# Altium PCB 2CH_PM_Simulator.PcbDoc (part 3 of 4) (continued)
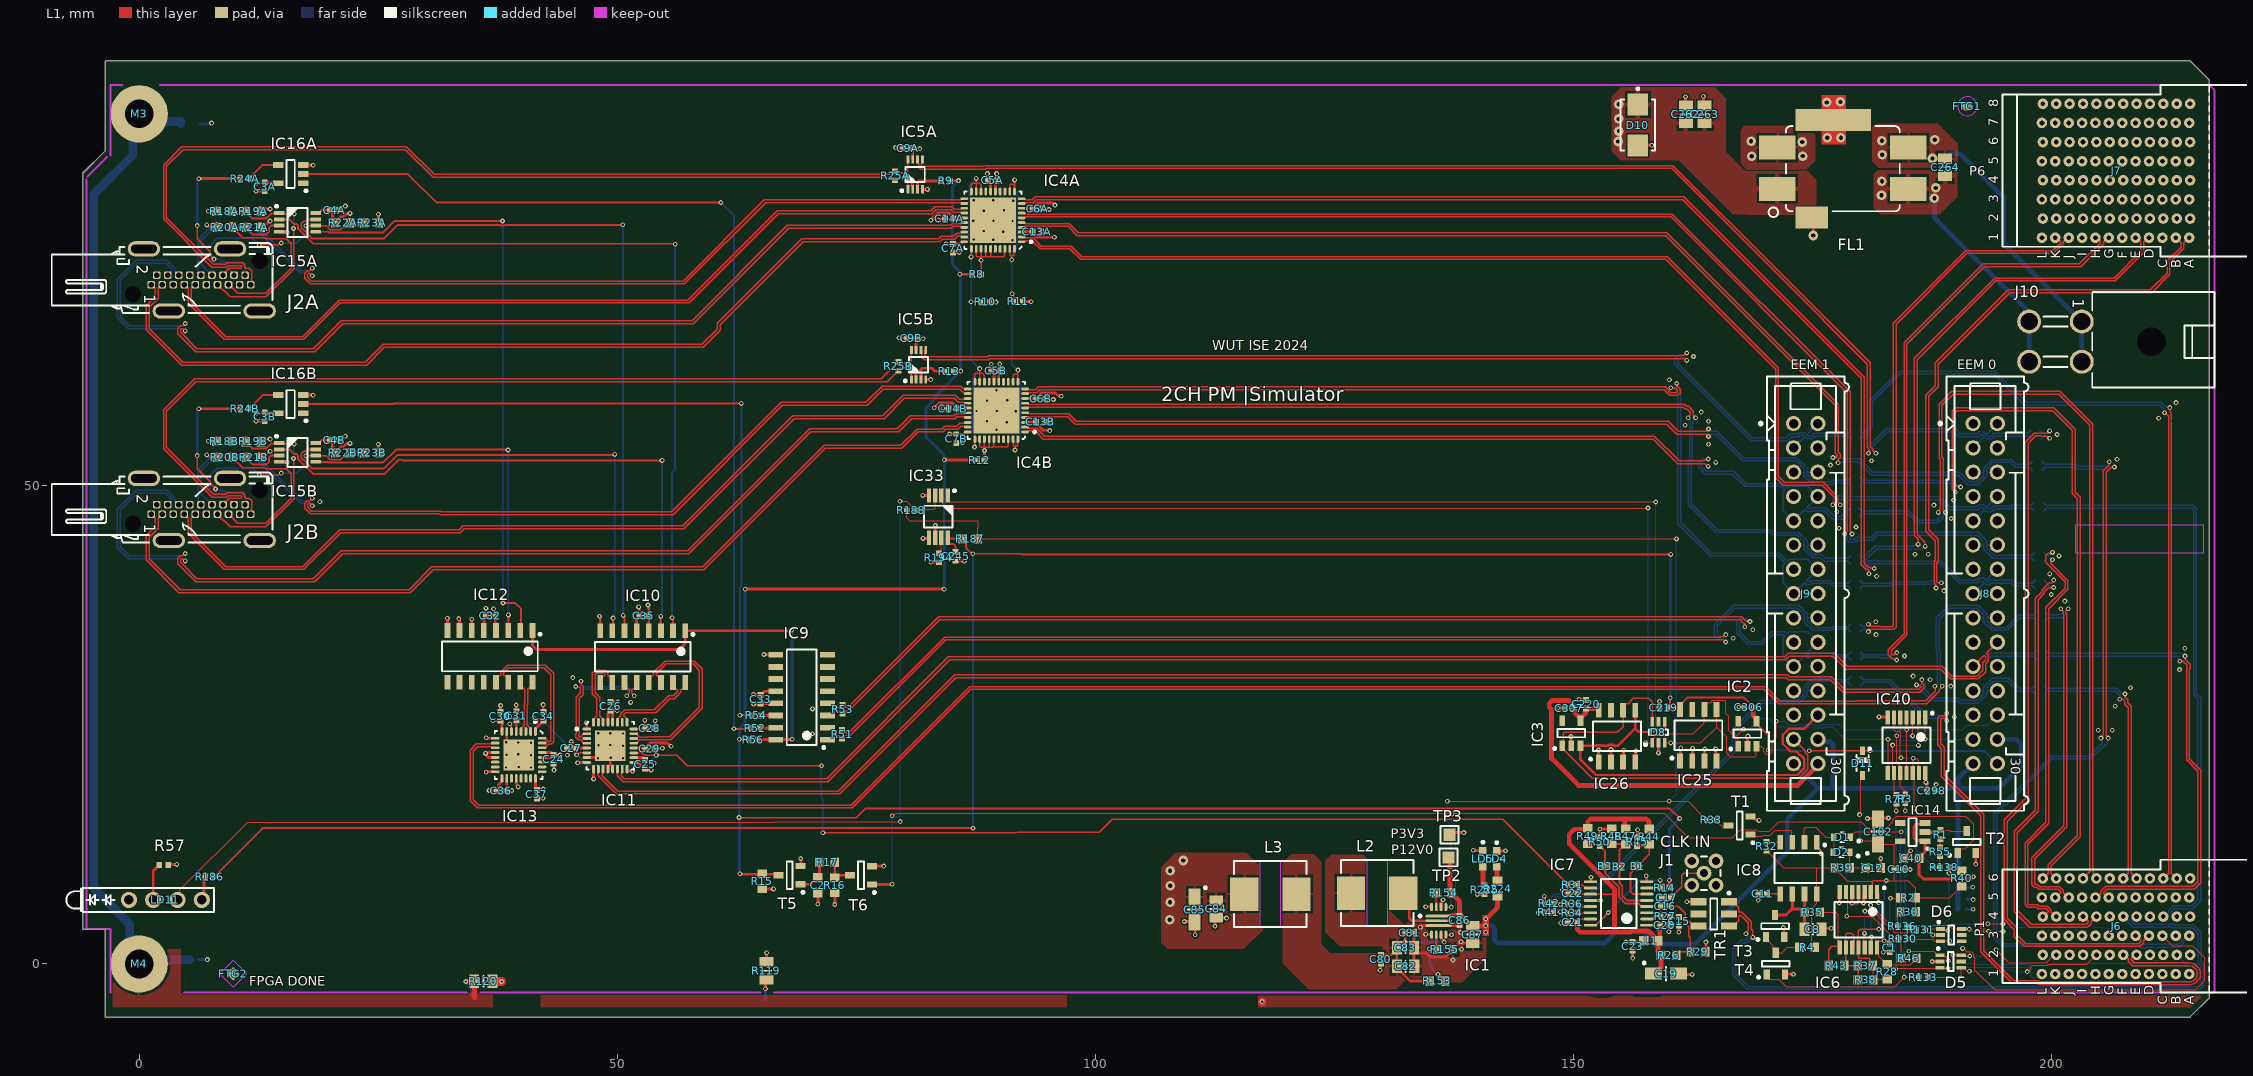
[diagram p0: L1 view]
## Nets (pads, with @x,y where several pads share a name; then routed paths per layer and width w, separated by ;. In a path a pad name is that pad's centre, name@x,y a point inside that pad or via, vN(x,y) a via of type N, cw(c..) or ccw(c..) an arc to the next point about the centre after c; other vN are vias at no path point) (continued)
  L4 w0.3: C212.2@6.198,0.45 6.202,0.454 7.134,0.454 v1(7.137,0.457) ; R126.2@6.348,87.85 7.43,87.85 7.515,87.935 v1(7.569,87.935) ; v1(134.518,5.994) 134.534,5.979 135.174,5.979 C79.1@135.19,5.963
  other v1: 137.39,0.419 138.279,1.537 138.228,2.324 138.177,3.289 133.979,3.848 38.359,20.547 40.975,20.547 39.705,20.598 47.981,21.514 50.597,21.514 49.327,21.565 40.975,21.843 38.41,21.893 39.641,21.93 50.597,22.809 48.031,22.86 49.263,22.897 40.975,23.138 39.654,23.163 38.391,23.18 70.405,24.077 50.597,24.105 49.276,24.13 48.013,24.147 204.873,24.433 206.32,24.433 189.814,25.832 70.405,26.668 206.629,26.949 51.384,27.356 208.229,28.88 189.429,29.056 187.274,29.718 45.335,29.945 185.496,30.099 213.356,30.783 184.607,32.207 213.915,33.018 166.7,34.061 181.632,34.441 168.732,34.95 181.606,35.787 201.371,37.948 199.948,38.631 188.722,39.04 181.686,40.538 199.796,40.792 200.762,42.672 185.699,42.85 187.096,42.85 177.749,45.568 179.527,45.695 189.484,46.584 177.521,47.295 187.681,47.981 18.898,48.336 189.738,48.489 176.86,52.172 164.871,52.451 181.153,52.629 206.832,52.781 164.106,54.354 200.558,55.372 89.647,55.848 161.671,56.337 90.713,56.661 164.106,56.742 88.656,56.763 211.176,57.074 163.344,57.707 91.679,57.804 87.564,57.83 89.697,57.83 213.004,58.699 88.656,58.896 90.79,58.947 89.647,59.989 160.02,61.087 162.535,63.525 91.323,75.686 89.291,75.737 87.259,75.762 90.358,76.549 88.3,76.651 91.323,77.692 87.208,77.718 89.342,77.718 88.3,78.785 90.434,78.835 91.399,79.826 87.259,79.851 89.291,79.877
  other v2: 168.631,84.455 173.965,84.48 173.914,85.954 168.554,86.03 177.952,86.385 176.53,86.411 176.479,90.094 177.902,90.145
HDMI_PM_DA0A_N: IC4A.21 J2A.12 | length 91.6
  L1 w0.14: v1(18.11,71.971) 18.086,71.971 17.848,72.208 17.697,72.208 17.615,72.126 17.615,71.815 18.015,71.415 56.869,71.415 65.378,79.925 85.888,79.925 85.988,80.025 IC4A.21@86.281,80.025
  L4 w0.14: J2A.12@7.609,72.085 7.593,72.085 6.502,73.176 6.502,75.667 7.849,77.013 12.09,77.013 16.895,72.208 17.848,72.208 18.086,71.971 v1(18.11,71.971)
HDMI_PM_DA0A_P: IC4A.22 J2A.10 | length 92.8
  L1 w0.14: v1@18.135,72.746 v1(18.11,72.746) 18.086,72.746 17.848,72.508 17.573,72.508 17.315,72.25 17.315,71.691 17.891,71.115 56.993,71.115 65.502,79.625 85.888,79.625 85.988,79.525 IC4A.22@86.281,79.525
  L4 w0.14: 6.203,72.497 6.203,72.335 J2A.10@6.453,72.085 ; 6.202,72.497 6.202,75.791 7.724,77.313 12.215,77.313 17.019,72.508 17.848,72.508 18.086,72.746 v1(18.11,72.746)
HDMI_PM_DA0B_N: IC4B.21 J2B.12 | length 94
  L1 w0.14: v1(18.11,47.917) 18.086,47.917 17.848,48.154 17.697,48.154 17.615,48.072 17.615,47.761 18.015,47.361 31.517,47.361 31.578,47.3 55.708,47.3 67.127,58.72 76,58.72 77.701,60.422 85.913,60.422 86.178,60.157 86.616,60.157 IC4B.21@86.637,60.137
  L4 w0.14: J2B.12@7.609,48.031 7.593,48.031 6.894,48.73 6.502,49.122 6.502,51.613 7.849,52.959 12.09,52.959 16.895,48.154 17.848,48.154 18.086,47.917 v1(18.11,47.917)
HDMI_PM_DA0B_P: IC4B.22 J2B.10 | length 95.2
  L1 w0.14: v1@18.135,48.692 v1(18.11,48.692) 18.086,48.692 17.848,48.454 17.573,48.454 17.315,48.197 17.315,47.637 17.891,47.061 31.393,47.061 31.454,47 55.832,47 67.252,58.42 76.124,58.42 77.826,60.122 85.788,60.122 86.053,59.857 86.123,59.857 86.343,59.637 IC4B.22@86.637,59.637
  L4 w0.14: 6.203,48.443 6.203,48.281 J2B.10@6.453,48.031 ; 6.202,48.443 6.202,51.737 7.724,53.259 12.215,53.259 17.019,48.454 17.848,48.454 18.086,48.692 v1(18.11,48.692)
HDMI_PM_DA1A_N: IC4A.23 J2A.9 | length 90.2
  L1 w0.14: J2A.9@5.875,71.085 5.859,71.085 5.447,70.673 5.447,69.204 9.042,65.608 17.094,65.608 20.906,69.42 57.381,69.42 66.721,78.761 82.765,78.761 83.191,79.187 84.977,79.187 85.239,78.925 85.888,78.925 85.988,79.025 IC4A.23@86.281,79.025
HDMI_PM_DA1A_P: IC4A.24 J2A.7 | length 90.7
  L1 w0.14: J2A.7@4.719,71.085 4.735,71.085 5.147,70.673 5.147,69.08 8.918,65.308 17.218,65.308 21.031,69.12 57.505,69.12 66.845,78.461 82.889,78.461 83.315,78.887 84.853,78.887 85.115,78.625 85.888,78.625 85.988,78.525 IC4A.24@86.281,78.525
HDMI_PM_DA1B_N: IC4B.23 J2B.9 | length 92.4
  L1 w0.14: J2B.9@5.875,47.031 5.859,47.031 5.447,46.619 5.447,45.15 9.042,41.554 17.094,41.554 20.95,45.41 33.468,45.41 33.858,45.8 56.824,45.8 68.351,57.328 77.782,57.328 79.902,59.448 85.358,59.448 85.769,59.037 86.243,59.037 86.343,59.137 IC4B.23@86.637,59.137
HDMI_PM_DA1B_P: IC4B.24 J2B.7 | length 92.9
  L1 w0.14: J2B.7@4.719,47.031 4.735,47.031 5.147,46.619 5.147,45.026 8.918,41.254 17.218,41.254 21.074,45.11 33.592,45.11 33.982,45.5 56.948,45.5 68.476,57.028 77.907,57.028 80.026,59.148 85.233,59.148 85.645,58.737 86.243,58.737 86.343,58.637 IC4B.24@86.637,58.637
HDMI_PM_DT0A_N: IC4A.26 J2A.6 | length 108.8
  L1 w0.14: v1(4.826,66.2) 4.801,66.2 4.564,66.437 4.413,66.437 4.331,66.355 4.331,66.044 6.037,64.338 18.212,64.338 21.139,67.265 57.816,67.265 67.776,77.225 84.802,77.225 85.002,77.425 85.888,77.425 85.988,77.525 IC4A.26@86.281,77.525
  L4 w0.14: J2A.6@4.141,72.085 4.125,72.085 3.713,72.497 3.713,72.761 2.895,73.579 -0.327,73.579 -2.281,71.625 -2.281,67.573 -1.146,66.437 4.491,66.437 4.729,66.2 v1(4.826,66.2)
HDMI_PM_DT0A_P: IC4A.27 J2A.4 | length 108.3
  L1 w0.14: v1(4.826,66.975) 4.801,66.975 4.564,66.737 4.289,66.737 4.031,66.48 4.031,65.92 5.913,64.038 18.336,64.038 21.263,66.965 57.941,66.965 67.9,76.925 84.926,76.925 85.126,77.125 85.888,77.125 85.988,77.025 IC4A.27@86.281,77.025
  L4 w0.14: J2A.4@2.985,72.085 3.001,72.085 3.413,72.497 3.413,72.637 2.771,73.279 -0.203,73.279 -1.981,71.501 -1.981,67.697 -1.022,66.737 4.491,66.737 4.729,66.975 v1(4.826,66.975)
HDMI_PM_DT0B_N: IC4B.26 J2B.6 | length 110.9
  L1 w0.14: v1(4.826,42.146) 4.801,42.146 4.564,42.384 4.413,42.384 4.331,42.302 4.331,41.991 6.037,40.284 18.212,40.284 21.139,43.211 57.359,43.211 70.125,55.977 79.294,55.977 80.654,57.337 85.157,57.337 85.357,57.537 86.243,57.537 86.343,57.637 IC4B.26@86.637,57.637
  L4 w0.14: J2B.6@4.141,48.031 4.125,48.031 3.713,48.443 3.713,48.707 2.895,49.525 -0.327,49.525 -2.281,47.571 -2.281,43.519 -1.146,42.384 4.491,42.384 4.729,42.146 v1(4.826,42.146)
HDMI_PM_DT0B_P: IC4B.27 J2B.4 | length 110.4
  L1 w0.14: v1(4.826,42.921) 4.801,42.921 4.564,42.684 4.289,42.684 4.031,42.426 4.031,41.866 5.913,39.984 18.336,39.984 21.263,42.911 57.483,42.911 70.249,55.677 79.418,55.677 80.778,57.037 85.282,57.037 85.481,57.237 86.243,57.237 86.343,57.137 IC4B.27@86.637,57.137
  L4 w0.14: J2B.4@2.985,48.031 3.001,48.031 3.413,48.443 3.413,48.583 2.771,49.225 -0.203,49.225 -1.981,47.447 -1.981,43.643 -1.022,42.684 4.491,42.684 4.729,42.921 v1(4.826,42.921)
HDMI_PM_DT1A_N: IC4A.28 J2A.3 | length 97.9
  L1 w0.14: J2A.3@2.407,71.085 2.391,71.085 1.979,70.673 1.979,69.626 1.037,68.684 1.037,66.446 4.567,62.916 23.647,62.916 25.511,64.779 58.843,64.779 60.461,66.397 60.461,66.981 69.299,75.819 83.591,75.819 83.867,76.095 85.145,76.095 85.475,76.425 85.888,76.425 85.988,76.525 IC4A.28@86.281,76.525
HDMI_PM_DT1A_P: IC4A.29 J2A.1 | length 98.4
  L1 w0.14: J2A.1@1.251,71.085 1.267,71.085 1.679,70.673 1.679,69.751 0.737,68.808 0.737,66.322 4.443,62.616 23.772,62.616 25.635,64.479 58.967,64.479 60.761,66.273 60.761,66.857 69.423,75.519 83.716,75.519 83.991,75.795 85.269,75.795 85.599,76.125 85.888,76.125 85.988,76.025 IC4A.29@86.281,76.025
HDMI_PM_DT1B_N: IC4B.28 J2B.3 | length 99.4
  L1 w0.14: J2B.3@2.407,47.031 2.391,47.031 1.979,46.619 1.979,45.573 1.037,44.63 1.037,42.393 4.288,39.141 28.224,39.141 30.612,41.529 58.928,41.529 71.628,54.229 79.637,54.229 81.338,55.931 83.947,55.931 84.223,56.206 85.5,56.206 85.83,56.537 86.243,56.537 86.343,56.637 IC4B.28@86.637,56.637
HDMI_PM_DT1B_P: IC4B.29 J2B.1 | length 99.9
  L1 w0.14: J2B.1@1.251,47.031 1.267,47.031 1.679,46.619 1.679,45.697 0.737,44.755 0.737,42.268 4.164,38.841 28.349,38.841 30.736,41.229 59.052,41.229 71.752,53.929 79.761,53.929 81.463,55.631 84.071,55.631 84.347,55.906 85.624,55.906 85.955,56.237 86.243,56.237 86.343,56.137 IC4B.29@86.637,56.137
HMISOA: IC16A.2 R52.2 | length 102.3
  L1 w0.2: IC16A.2@17.145,82.601 28.092,82.601 31.064,79.629 v1(60.808,79.629) ; v1(62.205,24.587) 63.894,24.587 R52.2@63.97,24.663
  L4 w0.2: v1(60.808,79.629) 62.205,78.232 v1(62.205,24.587)
HMISOB: IC16B.2 R54.2 | length 79.8
  L1 w0.2: IC16B.2@17.145,58.547 26.568,58.547 26.645,58.623 v1(62.967,58.623) ; v1(62.821,26.01) 64.021,26.01 R54.2@64.046,25.984
  L4 w0.2: v1(62.821,26.01) 62.821,39.314 62.967,39.46 v1(62.967,58.623)
HMOSI0_N: IC10.16 IC11.25 | length 9.2
  L1 w0.14: IC11.25@51.014,25.281 51.014,25.581 50.664,25.931 50.664,26.047 50.886,26.268 54.002,26.268 55.483,27.749 55.952,27.749 56.614,28.411 56.614,28.652 56.696,28.734 56.869,28.734 57.099,28.964 IC10.16@57.099,29.439
HMOSI0_P: IC10.15 IC11.27 | length 9.2
  L1 w0.14: IC11.27@50.014,25.281 50.014,25.581 50.364,25.931 50.364,26.171 50.762,26.568 53.878,26.568 55.359,28.049 55.828,28.049 56.314,28.536 56.314,28.652 56.232,28.734 56.059,28.734 55.829,28.964 IC10.15@55.829,29.439
HMOSI1_N: IC10.13 IC11.21 | length 20.1
  L1 w0.14: IC11.21@51.714,23.081 52.005,23.081 52.355,23.431 53.265,23.431 53.298,23.464 55.613,23.464 58.872,26.724 58.872,30.858 58.062,31.669 54.993,31.669 53.774,30.45 53.774,30.169 53.692,30.087 53.519,30.087 53.289,29.857 IC10.13@53.289,29.439
HMOSI1_P: IC10.14 IC11.23 | length 18.6
  L1 w0.14: IC11.23@51.714,24.081 52.005,24.081 52.355,23.731 53.14,23.731 53.173,23.764 55.488,23.764 58.572,26.848 58.572,30.734 57.937,31.369 55.118,31.369 54.074,30.326 54.074,30.169 54.156,30.087 54.329,30.087 54.559,29.857 IC10.14@54.559,29.439
HMOSIA: IC10.2 IC15A.2 | length 83.3
  L1 w0.2: IC15A.2@14.656,77.866 15.696,77.866 16.174,77.388 16.428,77.388 16.62,77.196 16.62,76.858 17.091,76.387 17.102,76.387 18.177,75.311 56.007,75.311 v1(56.058,75.26) ; v1(55.728,36.195) 55.728,36.114 55.829,36.012 IC10.2@55.829,34.839
  L4 w0.2: v1(55.728,36.195) 55.728,51.43 56.032,51.735 56.032,75.235 v1(56.058,75.26)
HMOSIB: IC10.3 IC15B.2 | length 59.8
  L1 w0.2: IC15B.2@14.656,53.812 15.696,53.812 16.174,53.334 16.428,53.334 16.62,53.142 16.62,52.804 17.091,52.333 17.102,52.333 18.177,51.257 25.679,51.257 27.153,52.73 27.432,52.73 27.508,52.654 v1(54.686,52.654) ; v1(54.534,36.347) 54.534,34.864 IC10.3@54.559,34.839
  L4 w0.2: v1(54.534,36.347) 54.534,36.429 54.686,36.581 v1(54.686,52.654)
HSCK0_N: IC12.16 IC13.2 | length 5.6
  L1 w0.14: IC13.2@40.937,24.306 40.937,24.596 40.587,24.946 40.587,27.109 40.638,27.16 40.638,28.726 40.72,28.808 40.893,28.808 41.123,29.038 IC12.16@41.123,29.456
HSCK0_P: IC12.15 IC13.4 | length 5.6
  L1 w0.14: IC12.15@39.853,29.456 39.853,29.038 40.083,28.808 40.256,28.808 40.338,28.726 40.338,27.284 40.287,27.233 40.287,24.946 39.937,24.596 IC13.4@39.937,24.306
HSCK1_N: IC12.13 IC13.30 | length 16.2
  L1 w0.14: IC12.13@37.313,29.456 37.313,29.931 37.543,30.161 37.716,30.161 37.798,30.243 37.798,30.52 38.54,31.263 42.441,31.263 43.328,30.376 43.328,23.256 43.027,22.956 42.787,22.956 42.437,22.606 IC13.30@42.137,22.606
HSCK1_P: IC12.14 IC13.32 | length 14.7
  L1 w0.14: IC12.14@38.583,29.456 38.583,29.931 38.353,30.161 38.18,30.161 38.098,30.243 38.098,30.396 38.665,30.963 42.316,30.963 43.028,30.251 43.028,23.38 42.903,23.256 42.787,23.256 42.437,23.606 IC13.32@42.137,23.606
HSCKA: IC12.2 IC15A.5 | length 64.5
  L1 w0.2: IC15A.5@18.456,76.566 19.779,76.566 19.843,76.501 25.524,76.501 26.721,77.699 v1(37.998,77.699) ; v1(38.049,37.744) 39.319,37.744 39.929,37.135 39.929,34.933 IC12.2@39.853,34.856
  L4 w0.2: v1(37.998,77.699) 38.024,77.673 38.024,37.77 v1(38.049,37.744)
HSCKB: IC12.3 IC15B.5 | length 39.6
  L1 w0.2: IC15B.5@18.456,52.512 19.779,52.512 19.843,52.448 25.524,52.448 26.873,53.797 38.532,53.797 v1(38.583,53.746) ; IC12.3@38.583,34.856 38.608,34.882 v1(38.608,36.5)
  L4 w0.2: v1(38.583,53.746) 38.595,53.734 38.595,36.512 v1(38.608,36.5)
HSEL0_N: IC10.12 IC11.2 | length 15.4
  L1 w0.14: v1(46.203,29.566) 46.22,29.548 46.22,29.212 46.415,29.018 46.415,28.168 46.011,27.765 46.011,23.973 45.966,23.929 45.966,23.813 46.048,23.731 46.164,23.731 46.514,24.081 IC11.2@46.814,24.081 ; v1(51.772,28.042) 51.772,28.066 51.534,28.304 51.534,28.709 51.616,28.791 51.789,28.791 52.019,29.021 IC10.12@52.019,29.439
  L4 w0.14: v1(46.203,29.566) 46.22,29.548 46.22,29.212 46.43,29.002 51.111,29.002 51.534,28.579 51.534,28.304 51.772,28.066 v1(51.772,28.042)
HSEL0_P: IC10.11 IC11.4 | length 15.4
  L1 w0.14: v1(45.655,29.018) 45.672,29 46.008,29 46.115,28.893 46.115,28.293 45.711,27.889 45.711,24.098 45.666,24.053 45.666,23.688 45.924,23.431 46.164,23.431 46.514,23.081 IC11.4@46.814,23.081 ; IC10.11@50.749,29.439 50.749,29.021 50.979,28.791 51.152,28.791 51.234,28.709 51.234,28.304 50.997,28.066 v1(50.997,28.042)
  L4 w0.14: v1(45.655,29.018) 45.672,29 46.008,29 46.306,28.702 50.987,28.702 51.234,28.455 51.234,28.304 50.997,28.066 v1(50.997,28.042)
HSEL1_N: IC10.9 IC11.30 | length 7.6
  L1 w0.14: IC10.9@48.209,29.439 48.209,29.857 48.439,30.087 48.612,30.087 48.694,30.169 48.694,30.326 48.596,30.424 47.863,30.424 47.699,30.26 47.699,28.363 48.164,27.897 48.164,25.931 48.514,25.581 IC11.30@48.514,25.281
HSEL1_P: IC10.10 IC11.32 | length 8.6
  L1 w0.14: IC11.32@47.514,25.281 47.514,25.581 47.864,25.931 47.864,27.773 47.399,28.238 47.399,30.384 47.739,30.724 48.72,30.724 48.994,30.45 48.994,30.169 49.076,30.087 49.249,30.087 49.479,29.857 IC10.10@49.479,29.439
HSELA: IC10.6 IC15A.7 | length 79.4
  L1 w0.2: IC15A.7@18.456,77.866 17.643,77.866 17.444,77.668 17.227,77.668 16.947,77.388 16.947,76.993 17.227,76.714 17.237,76.714 18.106,75.844 25.578,75.844 27.026,77.292 37.73,77.292 37.801,77.222 38.196,77.222 38.267,77.292 v1(50.571,77.292) ; v1(50.622,36.449) 50.622,36.368 50.749,36.241 IC10.6@50.749,34.839
  L4 w0.2: v1(50.571,77.292) 50.597,77.267 50.597,36.474 v1(50.622,36.449)
HSELB: IC10.7 IC15B.7 | length 54.5
  L1 w0.2: IC15B.7@18.456,53.812 17.643,53.812 17.444,53.614 17.227,53.614 16.947,53.334 16.947,52.939 17.227,52.66 17.237,52.66 18.106,51.791 25.578,51.791 27.026,53.238 49.682,53.238 v1(49.733,53.289) ; IC10.7@49.479,34.839 49.555,34.915 v1(49.555,36.17)
  L4 w0.2: v1(49.555,36.17) 49.555,36.251 49.733,36.429 v1(49.733,53.289)
I2C_SCL1: D8.6 IC3.1 IC26.6 J9.27 | length 47
  L1 w0.152: D8.6@158.227,25.332 158.227,27.422 157.861,27.788 156.261,27.788 155.697,27.224 155.392,27.224 155.169,27 IC26.6@155.169,26.525 155.169,24.816 154.584,24.232 149.098,24.232 148.92,24.054 148.92,22.942 IC3.1@148.808,22.83 148.808,22.58 151.957,19.431 173.546,19.431 174.46,20.345 174.46,21.851 174.197,22.113 174.197,22.295 J9.27@173.003,23.489
I2C_SDA1: D8.4 IC3.3 IC26.5 J9.26 | length 47.8
  L1 w0.254: IC26.5@156.439,26.525 156.439,24.638 ; D8.4@159.527,25.332 159.527,24.544 159.378,24.396 158.644,24.396 158.506,24.257 156.82,24.257 156.439,24.638 ; J9.26@175.543,26.029 174.13,24.616 172.536,24.616 171.876,23.956 171.876,23.022 172.679,22.219 173.327,22.219 174.13,21.416 174.13,20.482 173.409,19.761 152.344,19.761 150.708,21.397 IC3.3@150.708,22.83 152.343,22.83 152.394,22.881 152.812,22.881 152.863,22.83 153.588,22.83 153.69,22.932 154.107,22.932 154.21,22.83 154.631,22.83 156.439,24.638
NB3N3020_SEL0: B1.1 IC7.6 R44.1 R45.1 | length 8.9
  L1 w0.2: R45.1@156.642,12.319 157.721,12.319 R44.1@157.912,12.51 157.912,11.455 B1.1@156.693,10.236 155.956,9.5 155.956,8.534 155.931,8.509 155.931,7.62 156.251,7.3 IC7.6@157.661,7.3
NB3N3020_SEL1: B2.1 IC7.5 R47.1 R48.1 | length 10.1
  L1 w0.2: R48.1@153.975,12.56 153.988,12.548 R47.1@155.423,12.548 ; R47.1@155.473,12.548 R47.1@155.423,12.548 ; IC7.5@157.661,6.65 155.58,6.65 155.084,7.146 155.084,8.156 154.813,8.427 B2.1@154.813,10.185 154.813,11.937 R47.1@155.423,12.548
NB3N3020_SEL2: B3.1 IC7.4 R49.1 R50.1 | length 10.8
  L1 w0.2: R49.1@151.486,12.573 152.286,12.573 152.337,12.522 152.54,12.522 R50.1@152.73,12.332 152.75,12.332 153.289,11.793 B3.1@153.289,10.236 153.341,10.184 153.341,9.436 154.757,8.021 154.757,7.011 155.445,6.323 156.788,6.323 157.111,6 IC7.4@157.661,6
NB3N3020_VDD: C19.1 C20.2 C21.2 C22.2 IC7.1 IC7.11 IC7.15 L1.2 R26.2 R44.2 R47.2 R49.2 | length 46.4
  L1 w0.125: 157.582,3.442 157.661,3.522 ; IC7.1@157.661,4.05 C20.2@159.048,4.05
  L1 w0.14: C21.2@150.335,4.343 150.692,4.7 IC7.15@151.761,4.7 ; 154.28,7.29 154.27,7.3 IC7.11@151.761,7.3 C22.2@150.453,7.3 ; C22.2@150.453,7.3 C22.2@150.361,7.391 C22.2@150.453,7.3
  L1 w0.5: C21.2@150.335,4.343 150.395,4.283 150.395,3.618 150.686,3.327 154.572,3.327 ; R47.2@155.473,14.148 155.346,14.275 155.346,15.164 ; R44.2@157.912,14.11 157.886,14.135 157.886,14.859 157.582,15.164 155.346,15.164 ; C19.1@158.364,-1.016 158.639,-1.016 159.144,-0.512 R26.2@159.144,0.914 159.144,0.964 158.814,1.294 L1.2@158.814,2.438 ; C20.2@159.062,4.064 159.048,4.05 159.011,4.013 159.011,2.636 L1.2@158.814,2.438 ; 154.572,3.327 154.28,3.62 154.28,7.29 154.28,7.823 149.555,12.548 149.555,13.589 150.063,14.097 151.41,14.097 R49.2@151.486,14.173 151.486,14.871 151.778,15.164 155.346,15.164 ; 154.572,3.327 155.994,3.327 156.109,3.442 157.582,3.442 157.843,3.442 158.197,3.089 158.197,3.056 L1.2@158.814,2.438
NetC2_2: C2.2 R17.1 T5.1 | length 3.8
  L1 w0.3: T5.1@69.164,8.336 70.249,8.336 70.943,9.03 C2.2@70.968,9.03 71.133,9.195 R17.1@71.133,10.643
NetC8_2: C8.2 IC8.6 IC8.7 R35.2 T3.3 | length 8.7
  L1 w0.3: T3.3@171.069,5.112 172.219,5.112 172.872,5.766 ; IC8.6@172.872,7.333 172.872,5.766 ; C8.2@174.131,3.632 174.131,5.386 R35.2@174.155,5.41 174.155,5.46 R35.2@174.142,5.473 ; IC8.7@174.142,7.333 R35.2@174.142,5.473 ; 172.872,5.766 173.8,5.766 173.805,5.76 173.855,5.76 R35.2@174.142,5.473
NetC11_2: C11.2 IC8.5 | length 1.4
  L1 w0.14: C11.2@170.216,7.341 171.595,7.341 IC8.5@171.602,7.333
NetC12_2: C12.2 D2.1 R39.2 | length 3.3
  L1 w0.125: R39.2@178.853,10.059 D2.1@178.853,11.684 ; R39.2@178.854,10.058 180.48,10.058 C12.2@180.505,10.033
NetC15_2: C15.2 R26.1 R27.2 R29.2 | length 6.7
  L1 w0.14: R27.2@160.033,4.978 160.978,4.978 C15.2@161.036,4.92 162.046,3.91 162.046,2.884 162.179,2.751 R29.2@162.179,1.295 161.124,1.295 R26.1@160.744,0.914
NetC16_1: C16.1 TR1.4 | length 4.3
  L1 w0.14: C16.1@160.038,6.045 160.934,6.045 161.696,5.283 161.696,4.638 161.864,4.47 162.115,4.47 162.623,3.962 TR1.4@163.068,3.962
NetC16_2: C16.2 C17.2 IC7.2 R27.1 | length 3.6
  L1 w0.2: IC7.2@157.661,4.7 158.224,4.7 158.503,4.978 R27.1@159.093,4.978 159.093,6 C16.2@159.138,6.045 159.138,6.807 C17.2@159.265,6.934
NetC17_1: C17.1 J1.1 | length 5.2
  L1 w0.14: C17.1@160.165,6.934 161.29,8.059 161.29,9.296 161.493,9.5 J1.1@163.627,9.5
NetC79_2: C79.2 IC1.9 | length 1.7
  L1 w0.3: IC1.9@136.14,5.963 136.14,6.444 136.347,6.651 v1(136.347,6.706)
  L4 w0.3: C79.2@136.09,5.963 136.25,6.123 136.25,6.554 136.347,6.651 v1(136.347,6.706)
NetC264_1: C264.1 FL1.3 J10.1 J10.2 | length 30.1
  L4 w0.5: v2(187.528,84.226) 188.802,84.226 189.31,84.734 190.449,84.734 194.945,80.239 194.945,75.369 J10.1@203.139,67.175 J10.2@203.139,62.975
  other v2: 182.27,84.607 182.245,86.081 187.757,86.182
NetC264_2: C264.2 FL1.1 J10.3 J10.4 | length 21.2
  L4 w0.5: v2(187.731,80.061) 187.731,78.029 197.256,68.504 197.256,67.557 J10.3@197.639,67.175 J10.4@197.639,62.975
  other v2: 182.194,80.391 187.858,81.153 182.245,81.839
NetD1_2: D1.2 D2.2 IC8.2 | length 6.6
  L1 w0.125: IC8.2@174.142,12.733 174.142,14.122 174.295,14.275 175.336,14.275 176.352,13.259 D1.2@177.229,13.259 177.229,11.76 D2.2@177.153,11.684
NetD5_4: D5.4 J6.H2 R133.2 | length 19.6
  L1 w0.125: R133.2@187.033,-1.372 190.297,-1.372 190.551,-1.118 190.551,-0.414 D5.4@190.533,-0.396 190.808,-0.396 191.102,-0.69 191.317,-0.69 v1(191.389,-0.762) ; v1(197.426,-0.795) 197.464,-0.795 197.821,-0.438 197.821,-0.35 198.056,-0.115 199.51,-0.115 199.574,-0.051 203.668,-0.051 J6.H2@204.669,0.95
  L4 w0.125: v1(191.389,-0.762) 194.435,-0.762 194.587,-0.61 195.93,-0.61 196.115,-0.795 v1(197.426,-0.795)
NetD5_6: D5.6 J6.K2 R138.2 | length 21.9
  L1 w0.125: R138.2@189.243,10.109 189.255,10.097 v1(189.255,9.5) ; v1(189.636,0.965) 190.472,0.965 D5.6@190.533,0.904 190.599,0.838 v1(191.414,0.838) ; v1(194.183,1.473) 195.519,0.138 199.406,0.138 200.218,0.95 J6.K2@200.469,0.95
  L4 w0.125: v1(189.255,9.5) 189.255,4.724 188.646,4.115 188.646,1.956 v1(189.636,0.965) ; v1(191.414,0.838) 193.548,0.838 v1(194.183,1.473)
NetIC1_2: IC1.2 L2.1 | length 6.1
  L1 w0.3: L2.1@132.182,7.417 132.817,6.782 132.817,4.775 133.079,4.513 IC1.2@135.89,4.513
NetIC1_5: IC1.5 R153.1 R155.1 | length 6.5
  L1 w0.3: v1(134.899,1.6) R155.1@135.674,1.6 ; IC1.5@135.64,3.063 135.64,1.634 R155.1@135.674,1.6 ; R155.1@135.75,1.524 R155.1@135.674,1.6 ; v1(135.814,-1.092) 135.852,-1.13 135.965,-1.13 136.563,-1.728 R153.1@136.563,-1.778
  L4 w0.3: v1(134.899,1.6) 134.925,1.575 134.925,0.102 135.134,-0.108 135.134,-0.412 v1(135.814,-1.092)
NetIC1_10: IC1.10 R154.2 | length 1.5
  L1 w0.2: R154.2@135.598,7.468 135.64,7.426 IC1.10@135.64,5.963
NetIC5A_3: IC5A.3 R9.1 | length 3.3
  L1 w0.3: IC5A.3@81.396,81.01 81.396,81.752 81.534,81.89 R9.1@83.896,81.89
NetIC5B_3: IC5B.3 R13.1 | length 3.7
  L1 w0.3: IC5B.3@81.752,61.122 81.752,61.826 81.718,61.859 81.718,62.12 81.894,62.296 82.891,62.296 83.21,61.976 R13.1@84.239,61.976
NetIC6_1: IC6.1 IC6.11 R28.1 R37.1 R38.1 | length 14
  L1 w0.125: R37.1@181.292,-0.163 181.343,-0.213 R38.1@181.343,-1.651 181.381,-1.613 R28.1@182.778,-1.613
  L1 w0.14: R37.1@181.292,-0.163 180.969,0.161 180.969,0.61 179.863,0.61 179.781,0.692 IC6.11@179.781,1.713 179.781,3.444 179.984,3.647 v1(181.915,3.647) ; IC6.1@181.731,7.513 181.886,7.358 181.886,6.419 v1(181.889,6.416)
  L4 w0.14: v1(181.889,6.416) 181.902,6.403 181.902,3.66 v1(181.915,3.647)
NetIC6_8: IC6.8 R35.1 R43.1 | length 8.4
  L1 w0.125: R35.1@175.755,5.41 177.419,5.41 177.669,5.161 177.669,1.875 177.715,1.829 IC6.8@177.831,1.713
  L1 w0.14: R43.1@176.683,-0.163 176.683,1.499 177.013,1.829 IC6.8@177.715,1.829
NetIC6_9: IC6.9 IC6.10 R37.2 R38.2 R43.2 | length 8.5
  L1 w0.14: IC6.10@179.131,1.713 179.273,1.855 179.273,2.987 179.045,3.216 178.613,3.216 178.481,3.084 IC6.9@178.481,1.713 178.481,0.036 R43.2@178.283,-0.163 R37.2@179.692,-0.163 179.743,-0.213 R38.2@179.743,-1.651